# Altium PCB INC-MBTMC429-01.PcbDoc (part 1 of 2) (continued)
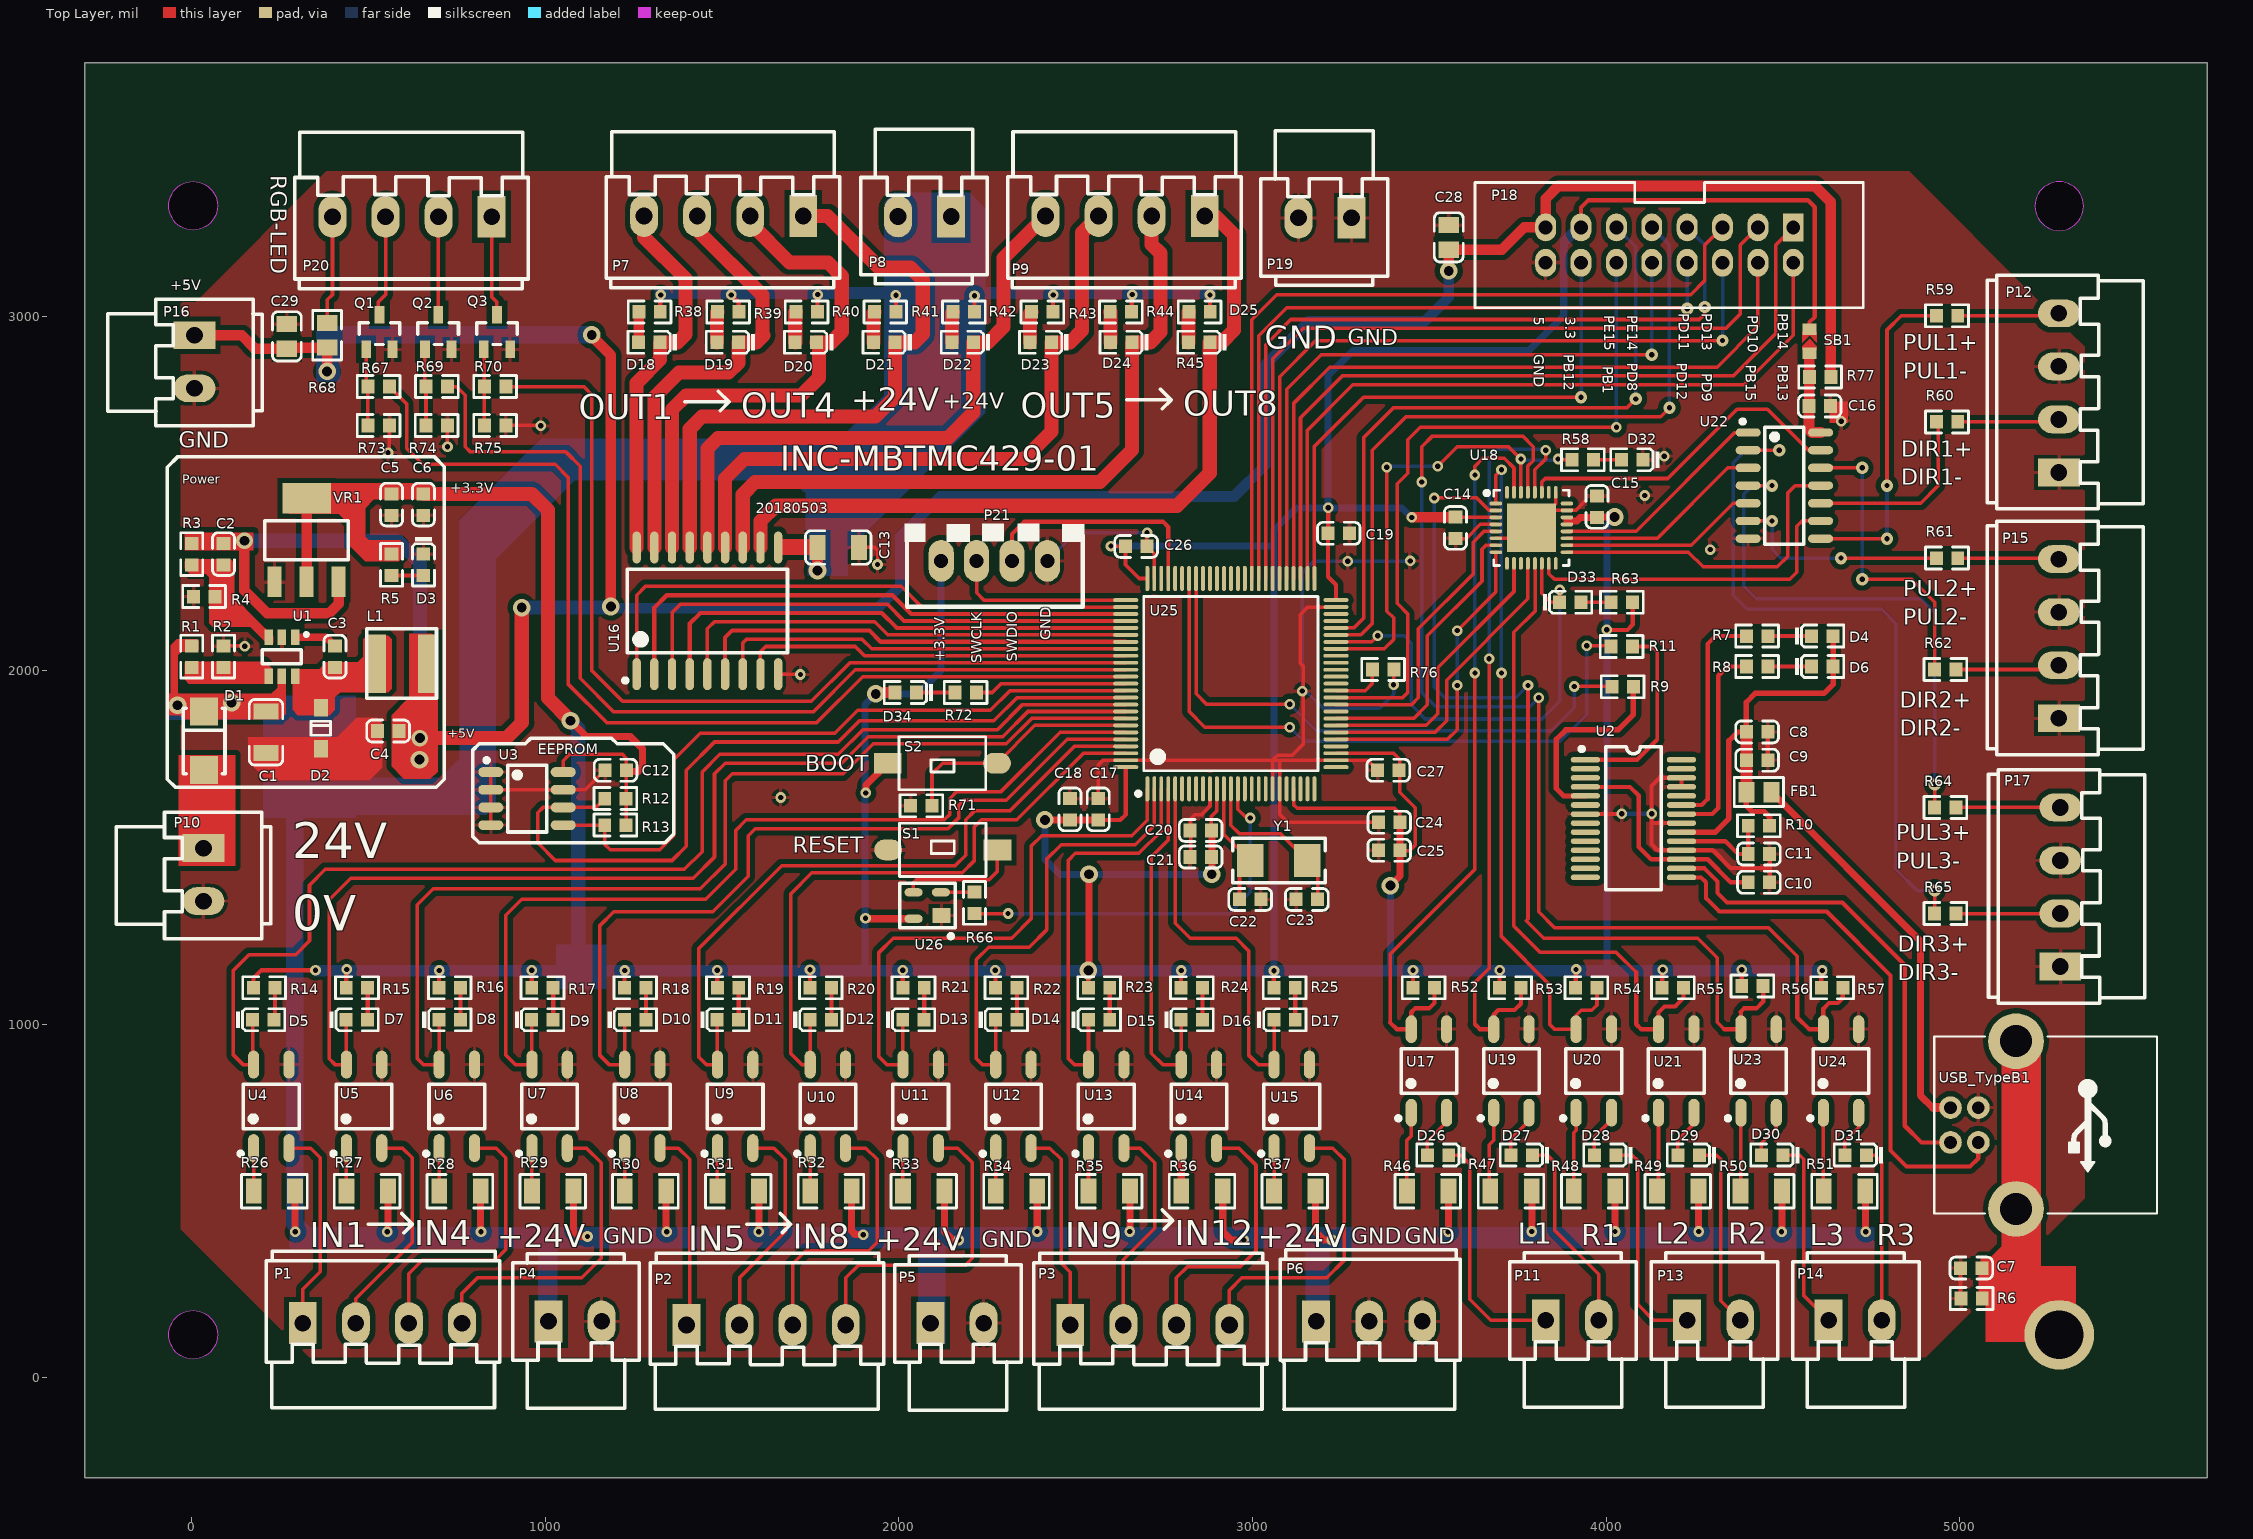
[diagram p0: Top Layer view]
## Components (designator, comment, footprint, x,y, rotation, side; value= is the part's Value field where it differs from the comment) (continued)
U4 "EL357N(B)(TA)-G" SOP-4_P2.54 226,768 r90 top
U5 "EL357N(B)(TA)-G" SOP-4_P2.54 488.27,768 r90 top
U6 "EL357N(B)(TA)-G" SOP-4_P2.54 750.55,768 r90 top
U7 "EL357N(B)(TA)-G" SOP-4_P2.54 1012.82,768 r90 top
U8 "EL357N(B)(TA)-G" SOP-4_P2.54 1275.09,768 r90 top
U9 "EL357N(B)(TA)-G" SOP-4_P2.54 1537.36,768 r90 top
U10 "EL357N(B)(TA)-G" SOP-4_P2.54 1799.64,768 r90 top
U11 "EL357N(B)(TA)-G" SOP-4_P2.54 2061.91,768 r90 top
U12 "EL357N(B)(TA)-G" SOP-4_P2.54 2324.18,768 r90 top
U13 "EL357N(B)(TA)-G" SOP-4_P2.54 2586.45,768 r90 top
U14 "EL357N(B)(TA)-G" SOP-4_P2.54 2848.73,768 r90 top
U15 "EL357N(B)(TA)-G" SOP-4_P2.54 3111,768 r90 top
U16 "ULN2803ADW" SOIC-18_300mil 1459,2168.87 r0 top
U17 "EL357N(B)(TA)-G" SOP-4_P2.54 3499,868 r90 top
U18 "TMC429-LI" QFN-32_5x5x05P 3788.61,2403.47 r270 top
U19 "EL357N(B)(TA)-G" SOP-4_P2.54 3732,868 r90 top
U20 "EL357N(B)(TA)-G" SOP-4_P2.54 3965,868 r90 top
U21 "EL357N(B)(TA)-G" SOP-4_P2.54 4198,868 r90 top
U22 "74HC04D" SOIC-14_150mil 4504,2523 r270 top
U23 "EL357N(B)(TA)-G" SOP-4_P2.54 4431,868 r90 top
U24 "EL357N(B)(TA)-G" SOP-4_P2.54 4664,868 r90 top
U25 "STM32F103VET6" LQFP-100_14x14x05P 2939,1963 r0 top
U26 "IMP811" SOT-143 2081.2,1335.6 r0 top
USB_TypeB1 "USB-B" USB_TypeB 5012.72,715.01 r270 top
VR1 "AMS1117-3.3" SOT-223 326,2369 r270 top
Y1 "8MHz ±20ppm 20pF" SMD-5032_2P 3074.71,1463 r180 top

## Footprints (in the part's own frame and the unit in brackets; to place one, negate y for a bottom-side part, rotate by r counter-clockwise, add the part's x,y. Pads: shape width x height; smd on the part's side, far side on the other; paste and mask are expansions set on the pad)
0603_C [mm]
  rect 0.93x0.98 smd: 1(-0.77,0) 2(0.77,0)
  silkscreen extent -1.53,-0.79 1.54,0.79, body extent -0.8,-0.4 0.8,0.4, height 0.3
0603_LED_S1 [mm]
  rect 0.93x0.98 smd: A(0.77,0) K(-0.77,0)
  silkscreen extent -1.98,-0.79 1.54,0.79, body extent -0.8,-0.4 0.8,0.4, height 0.6
0603_R [mm]
  rect 0.93x0.98 smd: 1(-0.77,0) 2(0.77,0)
  silkscreen extent -1.53,-0.79 1.54,0.79, body extent -0.85,-0.4 0.85,0.4, height 0.56
0805_C [mm]
  rect 1.16x1.47 smd: 1(-0.89,0) 2(0.89,0)
  silkscreen extent -1.77,-1.04 1.77,1.04, body extent -1,-0.62 1,0.63, height 0.77
0805_L [mm]
  rect 1.16x1.47 smd: 1(-0.89,0) 2(0.89,0)
  silkscreen extent -1.77,-1.04 1.77,1.03, body extent -1.02,-0.64 1.03,0.64, height 0.6
0805_R [mm]
  rect 1.16x1.47 smd: 1(-0.89,0) 2(0.89,0)
  silkscreen extent -1.77,-1.04 1.77,1.03, body extent -1,-0.62 1,0.63, height 0.49
1206_C [mm]
  rect 1.13x1.8 smd: 1(-1.49,0) 2(1.49,0)
  silkscreen extent -2.36,-1.2 2.35,1.2, body extent -1.6,-0.81 1.6,0.79, height 1
1206_R [mm]
  rect 1.13x1.8 smd: 1(-1.49,0) 2(1.49,0)
  silkscreen extent -2.36,-1.2 2.35,1.2, body extent -1.7,-0.86 1.65,0.87, height 0.85
JP2_SMD [mil] "短路焊点"
  rect 32x40 smd: 1(0,0) 2(67.5,0)
  Top Layer region: 60,0 50,0 30,20 60,20
  Top Layer region: 60,0 50,0 30,-20 60,-20
  Top Layer region: 10,-20 20,-20 40,0 20,20 10,20
L5020 [mm] "XCP 功率电感 5*5*2"
  rect 1.4x4.2 smd: 1(-1.85,0) 2(1.85,0)
  silkscreen extent -2.54,-2.49 2.46,2.51
LQFP-100_14x14x05P [mm]
  oval 0.28x1.8 smd mask+0.051: 1(-6,-7.55) 2(-5.5,-7.55) 3(-5,-7.55) 4(-4.5,-7.55) 5(-4,-7.55) 6(-3.5,-7.55) 7(-3,-7.55) 8(-2.5,-7.55) 9(-2,-7.55) 10(-1.5,-7.55) 11(-1,-7.55) 12(-0.5,-7.55) 13(0,-7.55) 14(0.5,-7.55) 15(1,-7.55) 16(1.5,-7.55) 17(2,-7.55) 18(2.5,-7.55) 19(3,-7.55) 20(3.5,-7.55) 21(4,-7.55) 22(4.5,-7.55) 23(5,-7.55) 24(5.5,-7.55) 25(6,-7.55) 51(6,7.55) 52(5.5,7.55) 53(5,7.55) 54(4.5,7.55) 55(4,7.55) 56(3.5,7.55) 57(3,7.55) 58(2.5,7.55) 59(2,7.55) 60(1.5,7.55) 61(1,7.55) 62(0.5,7.55) 63(0,7.55) 64(-0.5,7.55) 65(-1,7.55) 66(-1.5,7.55) 67(-2,7.55) 68(-2.5,7.55) 69(-3,7.55) 70(-3.5,7.55) 71(-4,7.55) 72(-4.5,7.55) 73(-5,7.55) 74(-5.5,7.55) 75(-6,7.55)
  oval 1.8x0.28 smd mask+0.051: 26(7.55,-6) 27(7.55,-5.5) 28(7.55,-5) 29(7.55,-4.5) 30(7.55,-4) 31(7.55,-3.5) 32(7.55,-3) 33(7.55,-2.5) 34(7.55,-2) 35(7.55,-1.5) 36(7.55,-1) 37(7.55,-0.5) 38(7.55,0) 39(7.55,0.5) 40(7.55,1) 41(7.55,1.5) 42(7.55,2) 43(7.55,2.5) 44(7.55,3) 45(7.55,3.5) 46(7.55,4) 47(7.55,4.5) 48(7.55,5) 49(7.55,5.5) 50(7.55,6) 76(-7.55,6) 77(-7.55,5.5) 78(-7.55,5) 79(-7.55,4.5) 80(-7.55,4) 81(-7.55,3.5) 82(-7.55,3) 83(-7.55,2.5) 84(-7.55,2) 85(-7.55,1.5) 86(-7.55,1) 87(-7.55,0.5) 88(-7.55,0) 89(-7.55,-0.5) 90(-7.55,-1) 91(-7.55,-1.5) 92(-7.55,-2) 93(-7.55,-2.5) 94(-7.55,-3) 95(-7.55,-3.5) 96(-7.55,-4) 97(-7.55,-4.5) 98(-7.55,-5) 99(-7.55,-5.5) 100(-7.55,-6)
  silkscreen extent -6.8,-8.05 6.25,6.25
QFN-32_5x5x05P [mm]
  rect 3.5x3.5 smd paste-1.75 mask+0.051: 0(0,0)
  oval 0.28x0.9 smd mask+0.051: 1(-1.75,-2.55) 2(-1.25,-2.55) 3(-0.75,-2.55) 4(-0.25,-2.55) 5(0.25,-2.55) 6(0.75,-2.55) 7(1.25,-2.55) 8(1.75,-2.55) 17(1.75,2.55) 18(1.25,2.55) 19(0.75,2.55) 20(0.25,2.55) 21(-0.25,2.55) 22(-0.75,2.55) 23(-1.25,2.55) 24(-1.75,2.55)
  oval 0.9x0.28 smd mask+0.051: 9(2.55,-1.75) 10(2.55,-1.25) 11(2.55,-0.75) 12(2.55,-0.25) 13(2.55,0.25) 14(2.55,0.75) 15(2.55,1.25) 16(2.55,1.75) 25(-2.55,1.75) 26(-2.55,1.25) 27(-2.55,0.75) 28(-2.55,0.25) 29(-2.55,-0.25) 30(-2.55,-0.75) 31(-2.55,-1.25) 32(-2.55,-1.75)
  silkscreen extent -2.7,-3.35 2.7,2.7
SMA(DO-214AC)_S1 [mm]
  rect 2x2 smd: 1(2.1,0) 2(-2.1,0)
  silkscreen extent -2.35,-1.5 2.35,1.5
SMD-5032_2P [mm]
  rect 1.9x2.4 smd: 1(-2.05,0) 2(2.05,0)
  silkscreen extent -3.32,-1.6 3.32,1.6
SOD-123 [mm]
  rect 1.25x1 smd: 1(1.475,0) 2(-1.475,0)
  silkscreen extent -0.5,-0.7 0.5,0.7, body extent -1.85,-0.77 1.85,0.78, height 1.35
SOIC-8_150mil [mm]
  oval 0.7x1.8 smd: 1(-1.905,-2.6) 2(-0.635,-2.6) 3(0.635,-2.6) 4(1.905,-2.6) 5(1.905,2.6) 6(0.635,2.6) 7(-0.635,2.6) 8(-1.905,2.6)
  silkscreen extent -2.9,-3.05 2.4,1.4
SOIC-14_150mil [mm]
  oval 0.6x1.8 smd: 1(-3.81,-2.6) 2(-2.54,-2.6) 3(-1.27,-2.6) 4(0,-2.6) 5(1.27,-2.6) 6(2.54,-2.6) 7(3.81,-2.6) 8(3.81,2.6) 9(2.54,2.6) 10(1.27,2.6) 11(0,2.6) 12(-1.27,2.6) 13(-2.54,2.6) 14(-3.81,2.6)
  silkscreen extent -4.75,-3.15 4.2,1.4
SOIC-18_300mil [mm]
  oval 0.6x2.3 smd: 1(-5.08,-4.55) 2(-3.81,-4.55) 3(-2.54,-4.55) 4(-1.27,-4.55) 5(0,-4.55) 6(1.27,-4.55) 7(2.54,-4.55) 8(3.81,-4.55) 9(5.08,-4.55) 10(5.08,4.55) 11(3.81,4.55) 12(2.54,4.55) 13(1.27,4.55) 14(0,4.55) 15(-1.27,4.55) 16(-2.54,4.55) 17(-3.81,4.55) 18(-5.08,4.55)
  silkscreen extent -6.05,-5.15 5.75,3
SOP-4_P2.54 [mm]
  oval 2x0.8 smd: 1(-3,1.27) 2(-3,-1.27) 3(3,-1.27) 4(3,1.27)
  silkscreen extent -3.55,-2 1.6,2.35
SOT-23(SOT-23-3) [mm]
  rect 1.25x0.7 smd: 1(1.25,-0.95) 2(1.25,0.95) 3(-1.25,0)
  silkscreen extent -0.65,-1.46 0.9,1.46, body extent -1.5,-1.5 1.5,1.5, height 1.3
SOT-23-6 [mm]
  rect 1.1x0.6 smd: 1(1.4,-0.95) 2(1.4,0) 3(1.4,0.95) 4(-1.4,0.95) 5(-1.4,0) 6(-1.4,-0.95)
  silkscreen extent -0.5,-1.87 1.72,1.4
SOT-143 [mm]
  rect 1.3x1.1 smd: 1(1,-0.71)
  oval 1.3x0.6 smd: 2(0.96,0.95) 3(-1,0.95) 4(-1,-0.95)
  silkscreen extent -1.98,-2.35 1.98,1.6, body extent -1.23,-1.46 1.19,1.46, height 1
SOT-223 [mm]
  rect 2.2x1 smd: 1(3,-2.3) 2(3,0) 3(3,2.3)
  rect 2.2x3.5 smd: 2(-3,0)
  silkscreen extent -1.4,-3 1.4,3, body extent -3.49,-3.24 3.49,3.24, height 1.64
SSOP-28_208mil [mm]
  oval 0.4x2.1 smd mask+0.051: 1(-4.225,-3.45) 2(-3.575,-3.45) 3(-2.925,-3.45) 4(-2.275,-3.45) 5(-1.625,-3.45) 6(-0.975,-3.45) 7(-0.325,-3.45) 8(0.325,-3.45) 9(0.975,-3.45) 10(1.625,-3.45) 11(2.275,-3.45) 12(2.925,-3.45) 13(3.575,-3.45) 14(4.225,-3.45) 15(4.225,3.45) 16(3.575,3.45) 17(2.925,3.45) 18(2.275,3.45) 19(1.625,3.45) 20(0.975,3.45) 21(0.325,3.45) 22(-0.325,3.45) 23(-0.975,3.45) 24(-1.625,3.45) 25(-2.275,3.45) 26(-2.925,3.45) 27(-3.575,3.45) 28(-4.225,3.45)
  silkscreen extent -5.15,-3.86 5.1,2
USB_TypeB [mil]
  round 64 hole 36 mask+1: 1(-49.21,-39.16) 2(49.21,-39.16) 3(49.21,39.58) 4(-49.21,39.58)
  round 157.48 hole 90.55 mask+0: 5(-237.01,146.28) 6(237.01,146.28)
  silkscreen extent -250,-85 250,545, body extent -283,-67 283,551, height 453
WJ15EDGVC-3.81-2P [mm] "XCP 15EDG连接器 直 插件 P=3.81"
  rect 2x3 hole 1.2: 1(0,0)
  oval 2x3 hole 1.2: 2(3.81,0)
  silkscreen extent -2.59,-6.25 6.5,4.85, body extent -2.57,-6.22 6.44,4.88, height 18.95
WJ15EDGVC-3.81-3P [mm] "XCP 15EDG连接器 直 插件 P=3.81"
  rect 2x3 hole 1.2: 1(0,0)
  oval 2x3 hole 1.2: 2(3.81,0) 3(7.62,0)
  silkscreen extent -2.59,-6.3 10.34,5.13, body extent -2.56,-6.2 10.26,4.9, height 18.6
WJ15EDGVC-3.81-4P [mm] "XCP 15EDG连接器 直 插件 P=3.81"
  rect 2x3 hole 1.2: 1(0,0)
  oval 2x3 hole 1.2: 2(3.81,0) 3(7.62,0) 4(11.43,0)
  silkscreen extent -2.62,-6.07 14.15,5.16, body extent -2.57,-6.07 14.06,5.03, height 18.6
"XH连接器 4P-2.5" [mil] "XCP"
  oval 71x118 hole 39.37: 1(0,0) 2(-100,0) 3(-200,0) 4(-300,0)
  silkscreen extent -405,-106 103,130
"直牛角连接器 2*8*2.54" [mm] "XCP"
  rect 1.5x2 hole 1: 1(0,0)
  oval 1.5x2 hole 1: 2(0,2.54) 3(2.54,0) 4(2.54,2.54) 5(5.08,0) 6(5.08,2.54) 7(7.62,0) 8(7.62,2.54) 9(10.16,0) 10(10.16,2.54) 11(12.7,0) 12(12.7,2.54) 13(15.24,0) 14(15.24,2.54) 15(17.78,0) 16(17.78,2.54)
  silkscreen extent -5.03,-3.23 22.86,5.77
"贴片按键 3*6*2.5" [mm] "XCP"
  rect 2x1.5 smd: 1(0,0)
  oval 2x1.5 smd: 2(7.849,0)
  silkscreen extent 0.81,-1.91 7.04,1.91

## Part data
C1: library part "1206 10uF (106) 10% 50V", "贴片电容", Package=1206, SuppliersPartNumber=C13585, ComponentLink1Description=供应商链接, ComponentLink1URL=http://www.szlcsc.com/product/details_14236.html, Supplier=LC
C2: library part "0603 33pF (330) 5% 50V", "贴片电容", Package=0603, SuppliersPartNumber=C1663, ComponentLink1Description=供应商链接, ComponentLink1URL=http://www.szlcsc.com/product/details_2015.html, Supplier=LC
C3 C6 C7 C9 C10 C11 C12 C14 C16 C17 C19 C26 C27: library part "0603 100nF (104) 10% 50V", "贴片电容", Package=0603, SuppliersPartNumber=C14663, ComponentLink1Description=供应商链接, ComponentLink1URL=http://www.szlcsc.com/product/details_15331.html, Supplier=LC
C4 C5 C8: library part "0603 10uF (106) 10% 10V", "贴片电容", Package=0603, SuppliersPartNumber=C19702, ComponentLink1Description=供应商链接, ComponentLink1URL=http://www.szlcsc.com/product/details_20411.html, Supplier=LC
C13: library part Cap, "Capacitor", LatestRevisionDate=17-Jul-2002, LatestRevisionNote="Re-released for DXP Platform.", PackageReference=RAD-0.3, Published=8-Jun-2000, Publisher="Altium Limited"
C15: library part "0603 470nF (474) 10% 25V", "贴片电容", Package=0603, SuppliersPartNumber=C1623, ComponentLink1Description=供应商链接, ComponentLink1URL=http://www.szlcsc.com/product/details_1975.html, Supplier=LC
C18: library part "0603 4.7uF (475) 10% 16V", "贴片电容", Package=0603, SuppliersPartNumber=C19666, ComponentLink1Description=供应商链接, ComponentLink1URL=http://www.szlcsc.com/product/details_20375.html, Supplier=LC
C20 C24: library part "0603 1uF (105) 10% 50V", "贴片电容", Package=0603, SuppliersPartNumber=C15849, ComponentLink1Description=供应商链接, ComponentLink1URL=http://www.szlcsc.com/product/details_16531.html, Supplier=LC
C21 C25: library part "0603 10nF (103) 10% 50V", "贴片电容", Package=0603, SuppliersPartNumber=C57112, ComponentLink1Description=供应商链接, ComponentLink1URL=http://www.szlcsc.com/product/details_58143.html, Supplier=LC
C22 C23: library part "0603 22pF (220) 5% 50V", "贴片电容", Package=0603, SuppliersPartNumber=C1653, ComponentLink1Description=供应商链接, ComponentLink1URL=http://www.szlcsc.com/product/details_2005.html, Supplier=LC
C28 C29: library part "0805 10uF (106) 10% 25V", "贴片电容", Package=0805, SuppliersPartNumber=C15850, ComponentLink1Description=供应商链接, ComponentLink1URL=http://www.szlcsc.com/product/details_16532.html, Supplier=LC
D1: library part "SMA(DO-214AC) SS210", "二极管", Package=SMA(DO-214AC), SuppliersPartNumber=C14996, ComponentLink1Description=供应商链接, ComponentLink1URL=http://www.szlcsc.com/product/details_15669.html, Supplier=LC
D2: library part "SOD-123 B5819W  SL", "肖特基二极管", Package=SOD-123, SuppliersPartNumber=C8598, ComponentLink1Description=供应商链接, ComponentLink1URL=http://www.szlcsc.com/product/details_9093.html, Supplier=LC
D3 D6 D26 D27 D28 D29 D30 D31 D33: library part "0603 红灯", "发光二极管", Package=0603, SuppliersPartNumber=C2286, ComponentLink1Description=供应商链接, ComponentLink1URL=http://www.szlcsc.com/product/details_2659.html, Supplier=LC
D4 D5 D7 D8 D9 D10 D11 D12 D13 D14 D15 D16 D17 D18 D19 D20 D21 D22 D23 D24 D25 D32 D34: library part "0603 蓝灯", "发光二极管", Package=0603, SuppliersPartNumber=C72041, ComponentLink1Description=供应商链接, ComponentLink1URL=http://www.szlcsc.com/product/details_73150.html, Supplier=LC
FB1: library part "0805 600Ω 25% 100MHz", "贴片磁珠", Package=0805, SuppliersPartNumber=C1017, ComponentLink1Description=供应商链接, ComponentLink1URL=http://www.szlcsc.com/product/details_1369.html, Supplier=LC
L1: library part Inductor, "Inductor", Code_IEC=1005, Code_JEITA=0402, LatestRevisionDate=29-May-2009, LatestRevisionNote="IPC-7351 Footprint Added.", PackageDescription="Chip Inductor", PackageReference=0402-A, Published=8-Jun-2000, Publisher="Altium Limited"
P1 P2 P3 P7 P9 P12 P15 P17 P20: "Header, 4-Pin", LatestRevisionDate=17-Jul-2002, LatestRevisionNote="Re-released for DXP Platform.", Publisher="Altium Limited"
P4 P5 P8 P10 P11 P13 P14 P16 P19: "Header, 2-Pin", LatestRevisionDate=17-Jul-2002, LatestRevisionNote="Re-released for DXP Platform.", Publisher="Altium Limited"
P6: "Header, 3-Pin", LatestRevisionDate=17-Jul-2002, LatestRevisionNote="Re-released for DXP Platform.", Publisher="Altium Limited"
P18: "Header, 8-Pin, Dual row, Right Angle", LatestRevisionDate=17-Jul-2002, LatestRevisionNote="Re-released for DXP Platform.", Publisher="Altium Limited"
P21: library part MHDR1X4, "Header, 4-Pin", LatestRevisionDate=17-Jul-2002, LatestRevisionNote="Re-released for DXP Platform.", Publisher="Altium Limited"
Q1 Q2 Q3: library part "SOT-23 SS8050 Y1", "三极管", Package=SOT-23, SuppliersPartNumber=C2150, ComponentLink1Description=供应商链接, ComponentLink1URL=http://www.szlcsc.com/product/details_2507.html, Supplier=LC
R1 R6: library part "0603 47KΩ (4702) 1%", "贴片电阻", Package=0603, SuppliersPartNumber=C25819, ComponentLink1Description=供应商链接, ComponentLink1URL=http://www.szlcsc.com/product/details_26562.html, Supplier=LC
R2 R10 R12 R13: library part "0603 10KΩ (1002) 1%", "贴片电阻", Package=0603, SuppliersPartNumber=C25804, ComponentLink1Description=供应商链接, ComponentLink1URL=http://www.szlcsc.com/product/details_26547.html, Supplier=LC
R3: library part "0603 130KΩ (1303) 1%", "贴片电阻", Package=0603, SuppliersPartNumber=C22795, ComponentLink1Description=供应商链接, ComponentLink1URL=http://www.szlcsc.com/product/details_23522.html, Supplier=LC
R4: library part "0603 24KΩ (2402) 1%", "贴片电阻", Package=0603, SuppliersPartNumber=C23352, ComponentLink1Description=供应商链接, ComponentLink1URL=http://www.szlcsc.com/product/details_24085.html, Supplier=LC
R5 R7 R8 R14 R15 R16 R17 R18 R19 R20 R21 R22 R23 R24 R25 R52 R53 R54 R55 R56 R57 R58 R63: library part "0603 1KΩ (1001) 1%", "贴片电阻", Package=0603, SuppliersPartNumber=C21190, ComponentLink1Description=供应商链接, ComponentLink1URL=http://www.szlcsc.com/product/details_21904.html, Supplier=LC
R9 R11: library part "0603 330Ω (3300) 1%", "贴片电阻", Package=0603, SuppliersPartNumber=C23138, ComponentLink1Description=供应商链接, ComponentLink1URL=http://www.szlcsc.com/product/details_23865.html, Supplier=LC
R26 R27 R28 R29 R30 R31 R32 R33 R34 R35 R36 R37 R46 R47 R48 R49 R50 R51: library part "1206 4.7KΩ (4701) 1%", "贴片电阻", Package=1206, SuppliersPartNumber=C17936, ComponentLink1Description=供应商链接, ComponentLink1URL=http://www.szlcsc.com/product/details_18624.html, Supplier=LC
R38 R39 R40 R41 R42 R43 R44 R45: library part "0603 6.8KΩ (6801) 1%", "贴片电阻", Package=0603, SuppliersPartNumber=C23212, ComponentLink1Description=供应商链接, ComponentLink1URL=http://www.szlcsc.com/product/details_23939.html, Supplier=LC
R59 R60 R61 R62 R64 R65: library part "0603 220Ω (2200) 1%", "贴片电阻", Package=0603, SuppliersPartNumber=C22962, ComponentLink1Description=供应商链接, ComponentLink1URL=http://www.szlcsc.com/product/details_23689.html, Supplier=LC
R66: library part "0603 4.7KΩ (4701) 1%", "贴片电阻", Package=0603, SuppliersPartNumber=C23162, ComponentLink1Description=供应商链接, ComponentLink1URL=http://www.szlcsc.com/product/details_23889.html, Supplier=LC
R67 R69 R70: library part "0603 2.2KΩ (2201) 1%", "贴片电阻", Package=0603, SuppliersPartNumber=C4190, ComponentLink1Description=供应商链接, ComponentLink1URL=http://www.szlcsc.com/product/details_4597.html, Supplier=LC
R68: library part "0805 2KΩ (2001) 1%", "贴片电阻", Package=0805, SuppliersPartNumber=C17604, ComponentLink1Description=供应商链接, ComponentLink1URL=http://www.szlcsc.com/product/details_18292.html, Supplier=LC
R71 R73 R74 R75 R76: library part "0603 100KΩ (1003) 1%", "贴片电阻", Package=0603, SuppliersPartNumber=C25803, ComponentLink1Description=供应商链接, ComponentLink1URL=http://www.szlcsc.com/product/details_26546.html, Supplier=LC
R72: library part "0603 510Ω (5100) 1%", "贴片电阻", Package=0603, SuppliersPartNumber=C23193, ComponentLink1Description=供应商链接, ComponentLink1URL=http://www.szlcsc.com/product/details_23920.html, Supplier=LC
R77: library part "0603 0Ω (0R0) 1%", "贴片电阻", Package=0603, SuppliersPartNumber=C21189, ComponentLink1Description=供应商链接, ComponentLink1URL=http://www.szlcsc.com/product/details_21903.html, Supplier=LC
S1 S2: library part SW-PB, "Switch", LatestRevisionDate=17-Jul-2002, LatestRevisionNote="Re-released for DXP Platform.", PackageReference=SPST-2, Published=24-Mar-1999, Publisher="Altium Limited"
U1: "DC-DCоƬ", Package=SOT-23-6, SuppliersPartNumber=C14123, ComponentLink1Description=供应商链接, ComponentLink1URL=http://www.szlcsc.com/product/details_14780.html, Supplier=LC
U2: library part FT232RL
U3: library part EEPROM/AT24C256C-SSHL-T_[C6482], "EEPROM", Package=SOIC-8_150mil, SuppliersPartNumber=C6482, ComponentLink1Description=供应商链接, ComponentLink1URL=http://www.szlcsc.com/product/details_6947.html, Supplier=LC
U4 U5 U6 U7 U8 U9 U10 U11 U12 U13 U14 U15 U17 U19 U20 U21 U23 U24: "贴片光耦", Package=SOP-4_P2.54, SuppliersPartNumber=C6649, ComponentLink1Description=供应商链接, ComponentLink1URL=http://www.szlcsc.com/product/details_7114.html, Supplier=LC
U16: "大电流驱动", Package=SOIC-18_300mil, SuppliersPartNumber=C9683, ComponentLink1Description=供应商链接, ComponentLink1URL=http://www.szlcsc.com/product/details_10213.html, Supplier=LC
U22: library part 74HC04
USB_TypeB1: library part USB-6
VR1: library part "SOT-223 AMS1117-3.3", "低压差线性稳压(LDO)", Package=SOT-223, SuppliersPartNumber=C6186, ComponentLink1Description=供应商链接, ComponentLink1URL=http://www.szlcsc.com/product/details_6652.html, Supplier=LC
Y1: library part "SMD-5032_2P 8MHz 20ppm 20pF", "贴片晶振", Package=SMD-5032_2P, SuppliersPartNumber=C115962, ComponentLink1Description=供应商链接, ComponentLink1URL=http://www.szlcsc.com/product/details_117214.html, Supplier=LC
SB1: Published=24-Mar-1999, Publisher="Altium Limited", Revision="July-2002: Re-released for DXP Platform.", Solder=NO

## Free pads (board coordinates)
  round 196.85 hole 137.8: 0(5281,122)

## Via types
v1: diameter 30, hole 15, Top Layer to Bottom Layer, tented both sides, 91 vias
v2: diameter 35, hole 15, Top Layer to Bottom Layer, tented both sides, 17 vias
v3: diameter 50, hole 28, Top Layer to Bottom Layer, tented both sides, 16 vias
v4: diameter 47.24, hole 28, Top Layer to Bottom Layer, tented both sides, 2 vias
v5: diameter 30, hole 15, Top Layer to Bottom Layer, 1 vias
v6: diameter 50, hole 28, Top Layer to Bottom Layer, 1 vias

## Nets (pads, with @x,y where several pads share a name; then routed paths per layer and width w, separated by ;. In a path a pad name is that pad's centre, name@x,y a point inside that pad or via, vN(x,y) a via of type N, cw(c..) or ccw(c..) an arc to the next point about the centre after c; other vN are vias at no path point)
+3.3V: C5.1 C6.2 C12.2 C14.2 C15.2 C17.2 C18.2 C19.2 C20.2 C21.2 C24.2 C25.2 C26.2 C27.2 D34.A P18.13 P21.1 R5.1 R12.2 R13.2 R14.1 R15.1 R16.1 R17.1 R18.1 R19.1 R20.1 R21.1 R22.1 R23.1 R24.1 R25.1 R52.1 R53.1 R54.1 R55.1 R56.1 R57.1 R63.2 S2.1 SB1.2 U3.8 U18.3 U18.21 U18.22 U25.11 U25.22 U25.28 U25.50 U25.75 U25.100 U26.4 VR1.2 | length 18793.7
  Top Layer w10: U3.8@1051.36,1713 1051.36,1745.36 1069,1763 1219,1763 1229.63,1752.37 C12.2@1229.63,1718 1229.63,1563.31 R13.2@1229.32,1563 ; v1(2600,2352) 2601,2351 C26.2@2641,2351 2641,2299 2679.76,2260.24 U25.75@2702.78,2260.24 ; C20.2@2884,1548 2884,1588 2899.63,1603.63 U25.11@2899.63,1665.76 ; U25.22@3116.17,1665.76 3116.17,1620.97 3126.13,1611 3402,1611 3417,1596 C24.2@3417,1571 ; U25.28@3236.24,1766.15 3398.85,1766.15 3416,1749 3416,1656.32 3460,1612.32 3460,1507 3443,1490 3419,1490 C25.2@3417,1492 ; C14.2@3574,2433.63 3574.63,2433 U18.3@3688.21,2433
  Top Layer w12: R14.1@175.69,1103 175.69,1130.69 198,1153 v1(351,1153) ; R15.1@437.93,1103 437.93,1153.93 v1(439,1155) ; R16.1@700.17,1103 700.17,1151.17 v1(701,1152) ; v1(962,1153) 962.42,1152.58 R17.1@962.42,1103 ; R18.1@1224.66,1103 1224.66,1151.66 v1(1225,1152) ; R19.1@1486.91,1103 1486.91,1152.91 v1(1487,1153) ; v1(1749,1154) 1749.15,1153.85 R20.1@1749.15,1103 ; v1(2011,1153) 2011.39,1152.61 R21.1@2011.39,1103 ; v1(2273,1153) 2273.64,1152.36 R22.1@2273.64,1103 ; R23.1@2535.88,1103 2535.88,1151.88 v3(2536,1152) ; C17.2@2564,1577.37 2626.37,1577.37 2642,1593 2642,1726.54 U25.100@2641.76,1726.78 ; R24.1@2798.13,1103 2798.13,1151.13 v1(2799,1152) ; R25.1@3060.37,1103 3060.37,1150.37 v1(3061,1151) ; v1(3214,2460) 3214,2388.32 C19.2@3213.69,2388 3213.69,2265.32 3236.24,2242.76 U25.50@3236.24,2199.22 ; R52.1@3453.69,1103 3453.69,1152.69 v1(3454,1153) ; R53.1@3698.37,1103 3698.37,1152.37 v1(3699,1153) ; R54.1@3913.69,1103 3913.69,1153.69 v1(3915,1155) ; P18.13@3929,3253 3929,3309 3950,3330 4570,3330 4590,3310 4590,3000 4575,2985 SB1.2@4575,2965 ; v1(4002,2115) 4060,2115 4075,2130 4075,2192.63 R63.2@4074.63,2193 ; R55.1@4158.37,1103 4158.37,1152.37 v1(4160,1154) ; v1(4383,1154) 4383.37,1153.63 R56.1@4383.37,1108 ; R57.1@4608.37,1103 4608.37,1149.37 v1(4611,1152)
  Top Layer w20: v3(1072,1858) 1117,1813 1241,1813 1275,1779 1275,1726 1264,1715 1232.63,1715 C12.2@1229.63,1718 ; v1(1906,1300) 1907.8,1298.2 U26.4@2041.83,1298.2 ; v1(1907,1654) 1907,1676 S2.1@1969,1738 ; v3(2413,1578) 2563.37,1578 C17.2@2564,1577.37 ; v3(2536,1152) 2538,1154 v3(2538,1424) ; C20.2@2884,1548 2885,1547 v3(2885,1424) ; v3(3390,1392) 3417,1419 C25.2@3417,1492 C24.2@3417,1571 ; 3892,2425 3894,2423 3917,2423 3926.69,2432.68 C15.2@3974,2432.68 3975.31,2434 v3(4024,2434)
  Top Layer w30: v3(1935,1934) 1939,1938 D34.A@1989,1938 ; v1(3450,2433) 3573.37,2433 C14.2@3574,2433.63
  Top Layer w40: C6.2@656,2499.63 962.37,2499.63 1008,2454 1008,1922 v3(1072,1858)
  Bottom Layer w10: 3060,2352 3061,2353
  Bottom Layer w12: v1(351,1153) 701,1153 v1(962,1153) 1094,1153 v1(1487,1153) 1905,1153 v1(2011,1153) v1(2273,1153) 3061,1153 v1(3061,1151) ; 3390,1153 v1(3454,1153) v1(3699,1153) 4000,1153 ; 4002,1155 4000,1153 ; v1@4605,1153 4000,1153
  Bottom Layer w20: 1905,1153 1905,1904 v3(1935,1934) 2054,1934 2120,2000 P21.1@2120,2310 ; v3(2413,1578) 2413,1465 2454,1424 v3(2538,1424) v3(2885,1424) ; v1(2600,2352) 3060,2352 ; v1@3061,1153 3061,2353 3061,2397 3124,2460 v1(3214,2460) ; 3390,1153 v3(3390,1392) ; v1(3450,2433) 3423,2460 v1(3214,2460) ; 4002,1155 v1(4002,2115) 4002,2412 v3(4024,2434) ; v1(3214,2460) 3214,2834 3285,2905 3781,2905 3873,2997 3874,2997 3880,3003 3880,3204 ; 3880,3204 3880,3219 3914,3253 P18.13@3929,3253 3880,3204
  Bottom Layer w40: v3(1072,1858) 1094,1836 1094,1153
+5V: C2.1 C4.2 C28.2 C29.2 L1.2 P16.1 P18.15 R3.1 R68.1 R77.1 VR1.3 | length 9266
  Top Layer w30: P16.1@9,2948 142,2948 180,2910 C29.2@270,2910 273,2913 R68.1@384,2913 v3(384,2846) ; v4(150,2367) 150,2227 215,2162 390,2162 416.55,2188.55 VR1.3@416.55,2250.89 ; v3(1132,2949) 1132,2946 1186,2892 v3(1186,2181) ; v6(3555,3130) C28.2@3555,3189.92 3704.92,3189.92 3768,3253 P18.15@3829,3253 3829,3334 3865,3370 4590,3370 4635.31,3324.69 R77.1@4635.31,2830
  Top Layer w40: v4(646,1809) 891,1809 935,1853 934,1854 v3(934,2178) 934,2181 v3@936,2183
  Bottom Layer w20: P18.15@3827,3255 P18.15@3829,3253
  Bottom Layer w30: P16.1@9,2948 P16.1@22,2935 ; v3(1186,2181) 1191,2176 1941,2176 2005,2240 2005,2380 2117,2492 2948,2492 3036,2580 3036,2864 3159,2987 3487,2987 3555,3055 v6(3555,3130)
  Bottom Layer w40: v4(150,2367) 583,2367 646,2304 v4(646,1809) ; v3(934,2178) v3@1180,2178
  Bottom Layer w50: 385,2935 399,2949 v3(1132,2949)
  other v3: 645,1748
+24V: C1.2 C13.2 D1.2 P4.1 P5.1 P6.1 P8.1 P8.2 R1.2 R26.1 R27.1 R28.1 R29.1 R30.1 R31.1 R32.1 R33.1 R34.1 R35.1 R36.1 R37.1 R38.2 R39.2 R40.2 R41.2 R42.2 R43.2 R44.2 R45.2 R46.1 R47.1 R48.1 R49.1 R50.1 R51.1 U1.5 U16.10 | length 13310.7
  Top Layer w12: R38.2@1325.63,3014 1325.63,3060.63 v1(1327,3062) ; v1(1526,3062) 1547.77,3040.23 R39.2@1547.77,3014 ; R40.2@1769.92,3014 1769.92,3061.92 v1(1771,3063) ; v1(1992,3061) 1992.06,3060.94 R41.2@1992.06,3014 ; v1(2214,3060) 2214.2,3059.8 R42.2@2214.2,3014 ; R43.2@2436.34,3014 2436.34,3061.34 v1(2437,3062) ; R44.2@2658.49,3014 2658.49,3061.49 v1(2660,3063) ; v1(2880,3062) 2880,3014.63 R45.2@2880.63,3014
  Top Layer w20: R26.1@293.32,523.62 293.32,413.68 v1(294,413) ; v1(554,413) 555.6,414.6 R27.1@555.6,523.62 ; R28.1@817.87,523.62 817.87,414.13 v1(819,413) ; R29.1@1080.14,523.62 1080.14,414.14 1094.28,400 v1(1120,400) ; R30.1@1342.41,523.62 1342.41,414.59 v1(1344,413) ; v1(1604,413) 1604.69,413.69 R31.1@1604.69,523.62 ; R32.1@1866.96,523.62 1866.96,415.04 1877,405 v1(1900,405) ; R33.1@2129.23,523.62 2129.23,413.23 2152.46,390 v1(2170,390) ; v1(2391,414) 2391.5,414.5 R34.1@2391.5,523.62 ; v1(2653,414) 2653.78,414.78 R35.1@2653.78,523.62 ; R36.1@2916.05,523.62 2916.05,414.05 2940.1,390 v1(2975,390) ; R37.1@3178.32,523.62 3178.32,413.32 3201.65,390 v1(3225,390) ; v1(3553,413) 3554.05,414.05 R46.1@3554.05,523.62 ; R47.1@3789.77,528 3789.77,414.23 v1(3790,414) ; v1(4025,414) 4025.49,414.49 R48.1@4025.49,528 ; R49.1@4261.21,523.62 4261.21,414.79 v1(4262,414) ; v1(4496,413) 4496.94,413.94 R50.1@4496.94,523.62 ; R51.1@4732.66,523.62 4732.66,419.34 4734,418 v1(4734,413)
  Top Layer w30: v3(1770,2283) 1770,2285 1770.34,2285.34 C13.2@1770.34,2348
  Bottom Layer w12: v1(1327,3062) v1(1526,3062) v1@1992,3062 ; v1@1998,3062 v1(2437,3062) v1(2880,3062)
  Bottom Layer w20: 316,413 v1(554,413) v1(819,413) 997,413 1010,400 ; P4.1@998,154 1025,181 1025,385 1010,400 ; v1(4734,413) v1(4496,413) v1(3553,413) 3530,390 v1(3225,390) 3103,390 3080,413 3057,390 v1(2975,390) v1(2170,390) 2062,390 2039,413 2031,405 v1(1900,405) 1612,405 v1(1604,413) v1(1344,413) 1331,400 v1(1120,400) 1010,400
  Bottom Layer w30: 1757,2533 1770,2520 v3(1770,2283)
  Bottom Layer w50: v3(114,1909) 235,1909 316,1828 316,1658 ; 316,393 316,413 292,437 292,1634 316,1658 ; 395,1658 316,1658
  Bottom Layer w80: 395,1658 755,1658 ; 902,2432 1048,2578 1857,2578 1998,2719 v1@1998,3061 ; v1@1998,3062 P8.2@1998,3284 P8.1@2148,3284
  other v3: -39,1902
ADC12_IN14: U25.15
ADC12_IN15: U25.16
BLUE: R70.2 U25.85 | length 2623.2
  Top Layer w10: R70.2@889.32,2803 1109,2803 1132,2780 1132,2000 1219,1913 1753,1913 1862.06,2022.06 U25.85@2641.76,2022.06
Blue_LED: P20.1 Q3.3 | length 282.8
  Top Layer w10: P20.1@849,3283 849,3056 864,3041 Q3.3@864,3006.43
BOOT0: R71.1 S2.2 U25.94 | length 694.5
  Top Layer w10: R71.1@2094,1618 2094,1708 2124,1738 S2.2@2278,1738 2384.89,1844.89 U25.94@2641.76,1844.89
BOOT1: R76.1 U25.37 | length 150.7
  Top Layer w10: U25.37@3236.24,1943.32 3319,1943.32 3339,1963.32 R76.1@3339,2003
DCin: D1.1 P10.1
Dir1: U18.17 U22.11 | length 935.3
  Top Layer w10: U18.17@3889,2334.57 4232.43,2334.57 4274,2293 4484,2293 4514,2323 4514,2503 4534,2523 U22.11@4606.36,2523
DIR1+: R60.1 U22.10 | length 513.1
  Top Layer w10: U22.10@4606.36,2473 4889,2473 4938.37,2522.37 4938.37,2683
Dir2: U18.27 U22.13 | length 950.7
  Top Layer w10: U18.27@3818.13,2503.87 3818.13,2533 3828.13,2543 4174,2543 4370,2739 4456,2739 4572,2623 U22.13@4606.36,2623
DIR2+: R62.1 U22.12 | length 854.4
  Top Layer w10: U22.12@4606.36,2573 v2(4724,2573) ; v2(4724,2258) 4864,2258 4928.69,2193.31 R62.1@4928.69,2003
  Bottom Layer w10: v2(4724,2258) v2(4724,2573)
Dir3: U18.20 U22.1 | length 628.4
  Top Layer w10: U18.20@3889,2393.63 4084.63,2393.63 4364,2673 U22.1@4401.64,2673
DIR3+: R65.1 U22.2 | length 1995
  Top Layer w10: U22.2@4401.64,2623 v2(4489,2623) ; R65.1@4928.69,1313 4929,1313.31 v2(4929,1378)
  Bottom Layer w10: v2(4489,2623) 4394,2623 4359,2588 4359,2213 4399,2173 4779,2173 4819,2133 4819,1438 4879,1378 v2(4929,1378)
GND: C1.1 C4.1 C5.2 C6.1 C7.2 C8.1 C9.1 C10.2 C11.2 C12.1 C13.1 C14.1 C15.1 C16.2 C17.1 C18.1 C19.1 C20.1 C21.1 C22.1 C23.1 C24.1 C25.1 C26.1 C27.1 C28.1 C29.1 D2.1 D3.K D32.K P4.2 P5.2 P6.2 P6.3 P10.2 P12.1 P12.3 P15.1 P15.3 P16.2 P17.1 P17.3 P18.16 P19.1 P19.2 P21.4 Q1.2 Q2.2 Q3.2 R2.2 R4.2 R6.2 R71.2 R73.1 R74.1 R75.1 R76.2 S1.2 U1.2 U2.7 U2.18 U2.21 U2.25 U2.26 U3.1 U3.2 U3.3 U3.4 U3.7 U4.3 U5.3 U6.3 U7.3 U8.3 U9.3 U10.3 U11.3 U12.3 U13.3 U14.3 U15.3 U16.9 U17.3 U18.0 U18.4 U18.6 U18.23 U18.25 U19.3 U20.3 U21.3 U22.7 U23.3 U24.3 U25.10 U25.19 U25.20 U25.27 U25.49 U25.74 U25.99 U26.1 USB_TypeB1.4 VR1.1 | length 6388.4
  Top Layer w10: R2.2@91,2069.63 150.37,2069.63 v1(151,2069) ; v1(556,2616) 559.63,2619.63 R73.1@559.63,2693 ; v1(724,2633) R74.1@724,2693 ; U3.4@846.64,1563 U3.3@846.64,1613 U3.2@846.64,1663 ; U3.1@846.64,1713 U3.2@846.64,1663 ; R75.1@889,2693 987,2693 v1(988,2692) ; C12.1@1169,1718 1114,1663 U3.7@1051.36,1663 U3.2@846.64,1663 ; U16.9@1659,1989.73 1721.27,1989.73 v1(1722,1989) ; C13.1@1887.66,2348 1932,2348 1940,2340 v5(1940,2300) ; C17.1@2564,1638 2564,1733 2577.46,1746.46 U25.99@2641.76,1746.46 3057.11,1746.46 ; v1(2702,2390) 2701.63,2389.63 C26.1@2701.63,2351 2722.46,2330.17 U25.74@2722.46,2260.24 ; C21.1@2823.37,1473 2826,1475.63 2826,1581 2837,1592 2856,1592 2879.94,1615.94 U25.10@2879.94,1665.76 ; U25.19@3057.11,1665.76 3057.11,1746.46 ; U25.49@3236.24,2179.54 3156.54,2179.54 3135,2158 3135,2021 3143,2013 3143,1792 3112,1761 3071,1761 3057.11,1747.11 3057.76,1746.46 ; C27.1@3353.69,1718 3325.22,1746.46 U25.27@3236.24,1746.46 3076.8,1746.46 ; C24.1@3356.37,1571 3099,1571 3076.8,1593.2 U25.20@3076.8,1665.76 3076.8,1746.46 ; v1(3399,1960) 3399.63,1960.63 R76.2@3399.63,2003 ; C14.1@3574,2373 3604,2373 3644.31,2413.31 U18.4@3688.21,2413.31 ; U18.6@3688.21,2373.94 3759.08,2373.94 U18.0@3788.61,2403.47 U18.0@3837.82,2452.68 ; U18.25@3857.5,2503.87 3857.5,2472.37 U18.0@3837.82,2452.68 ; 3937,2477 3937,2476 3913.69,2452.68 U18.23@3889,2452.68 U18.0@3837.82,2452.68 ; C16.2@4634,2748 4658,2748 4666,2740 4666,2706 v1(4665,2705) ; 3057.11,1746.46 3057.76,1746.46 ; 3057.76,1746.46 3076.8,1746.46
  Top Layer w12: U2.7@3941.17,1594.3 4042.8,1594.3 v1(4044,1595.5) ; U2.21@4212.83,1568.7 4128,1568.7 ; U2.25@4212.83,1671.07 U2.26@4212.83,1696.66 4151.16,1696.66 4128,1673.5 4128,1568.7 ; C9.1@4457,1746.5 C8.1@4457,1826.5 ; C10.2@4462.31,1401.5 4462.31,1441.5 ; C11.2@4462.31,1481.5 4462.31,1441.5 ; C7.2@5002,310.53 5002,225.22 R6.2@5002.68,224.53 R6.2@5002.68,218.47 ; 4128,1568.7 4128,1509.5 4145.57,1491.93 U2.18@4212.83,1491.93 4301.57,1491.93 4352,1441.5 4462.31,1441.5
  Bottom Layer w10: P21.4@2420,2310 2500,2390 v1(2702,2390) ; v1(3399,1960) 3399,1933 3359,1893 3200,1893 3151,1942 v1(3141,1942) 3141,2277 3175,2311 3177,2309 v1(3269,2309) 3445,2309 v1(3446,2310)
  Bottom Layer w12: v1(4044,1595.5) v1(4129,1595.5)
  other v1: 1666,1641 4294,2342 4109,2495 4164,2606
GREEN: R69.2 U25.86 | length 2784.2
  Top Layer w10: R69.2@724.47,2803 749,2803 774,2778 774,2633 789,2618 1059,2618 1099,2578 1099,1978 1194,1883 1758,1883 1877.37,2002.37 U25.86@2641.76,2002.37
Green_LED: P20.2 Q2.3 | length 277.1
  Top Layer w10: Q2.3@697.8,3006.43 697.8,3281.8 P20.2@699,3283